# Altium PCB PCB2.PcbDoc (part 1 of 2) (continued)
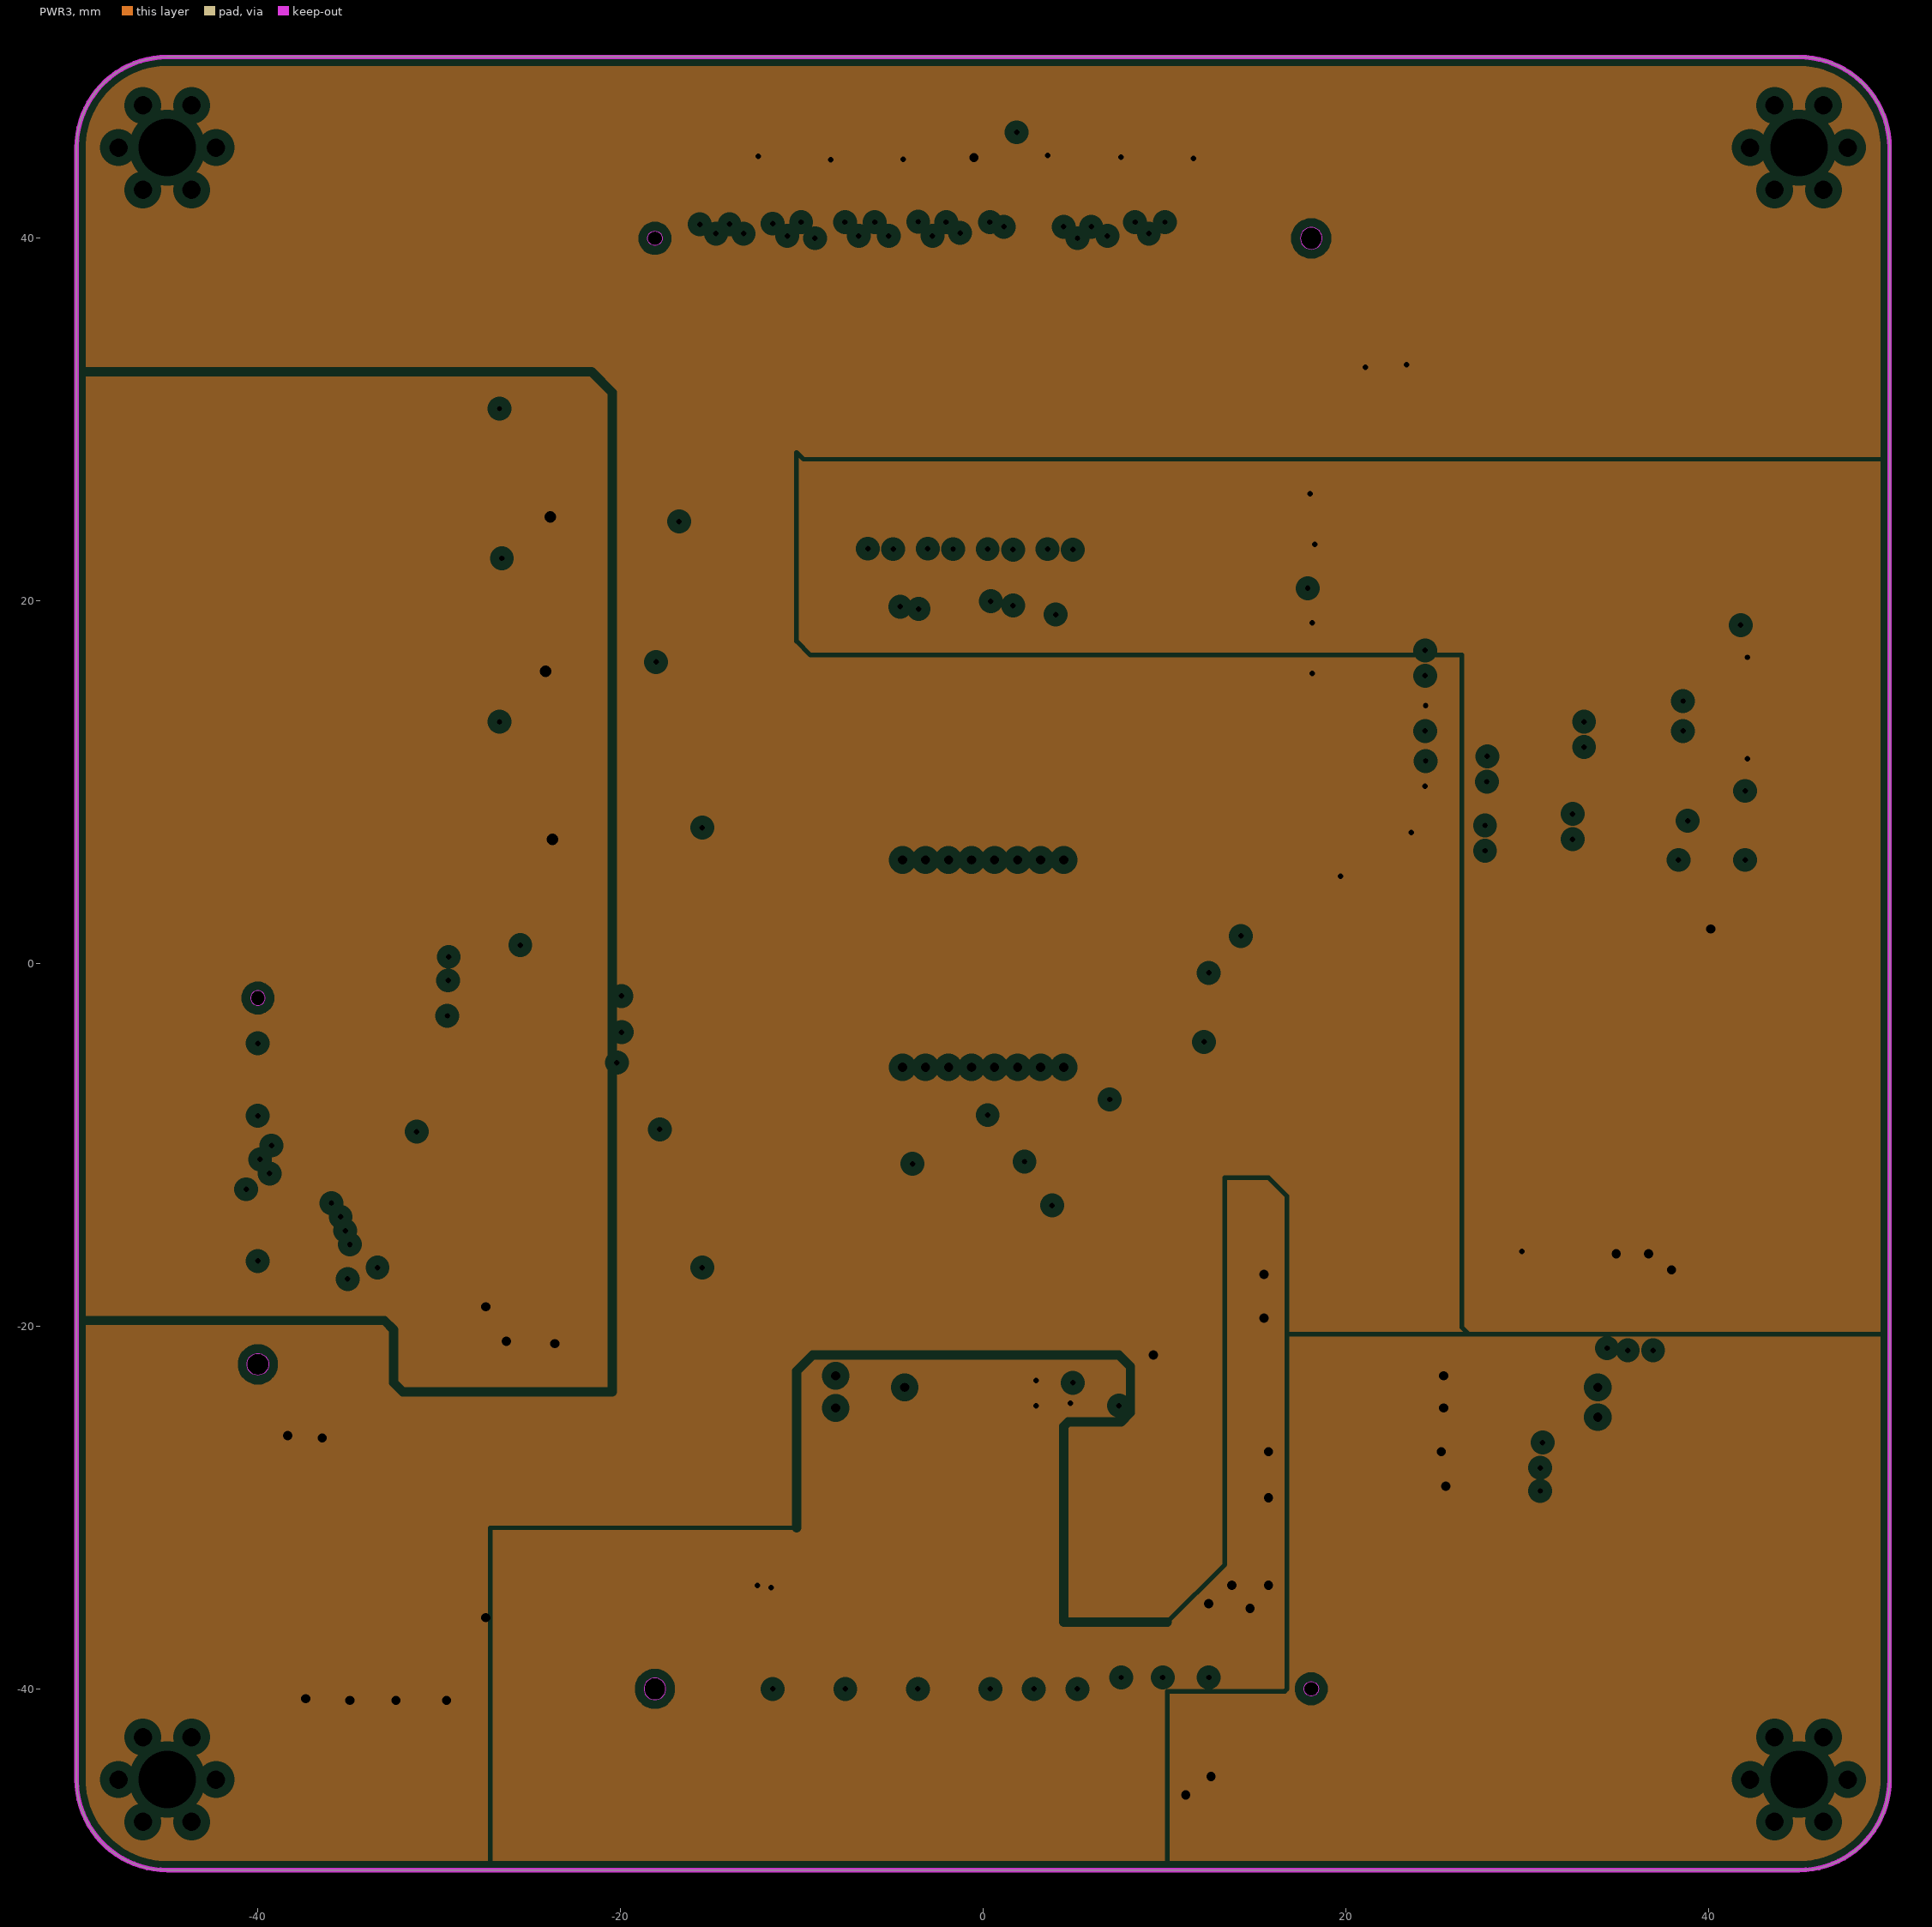
[diagram p3: PWR3, clearances drawn from the general rule]
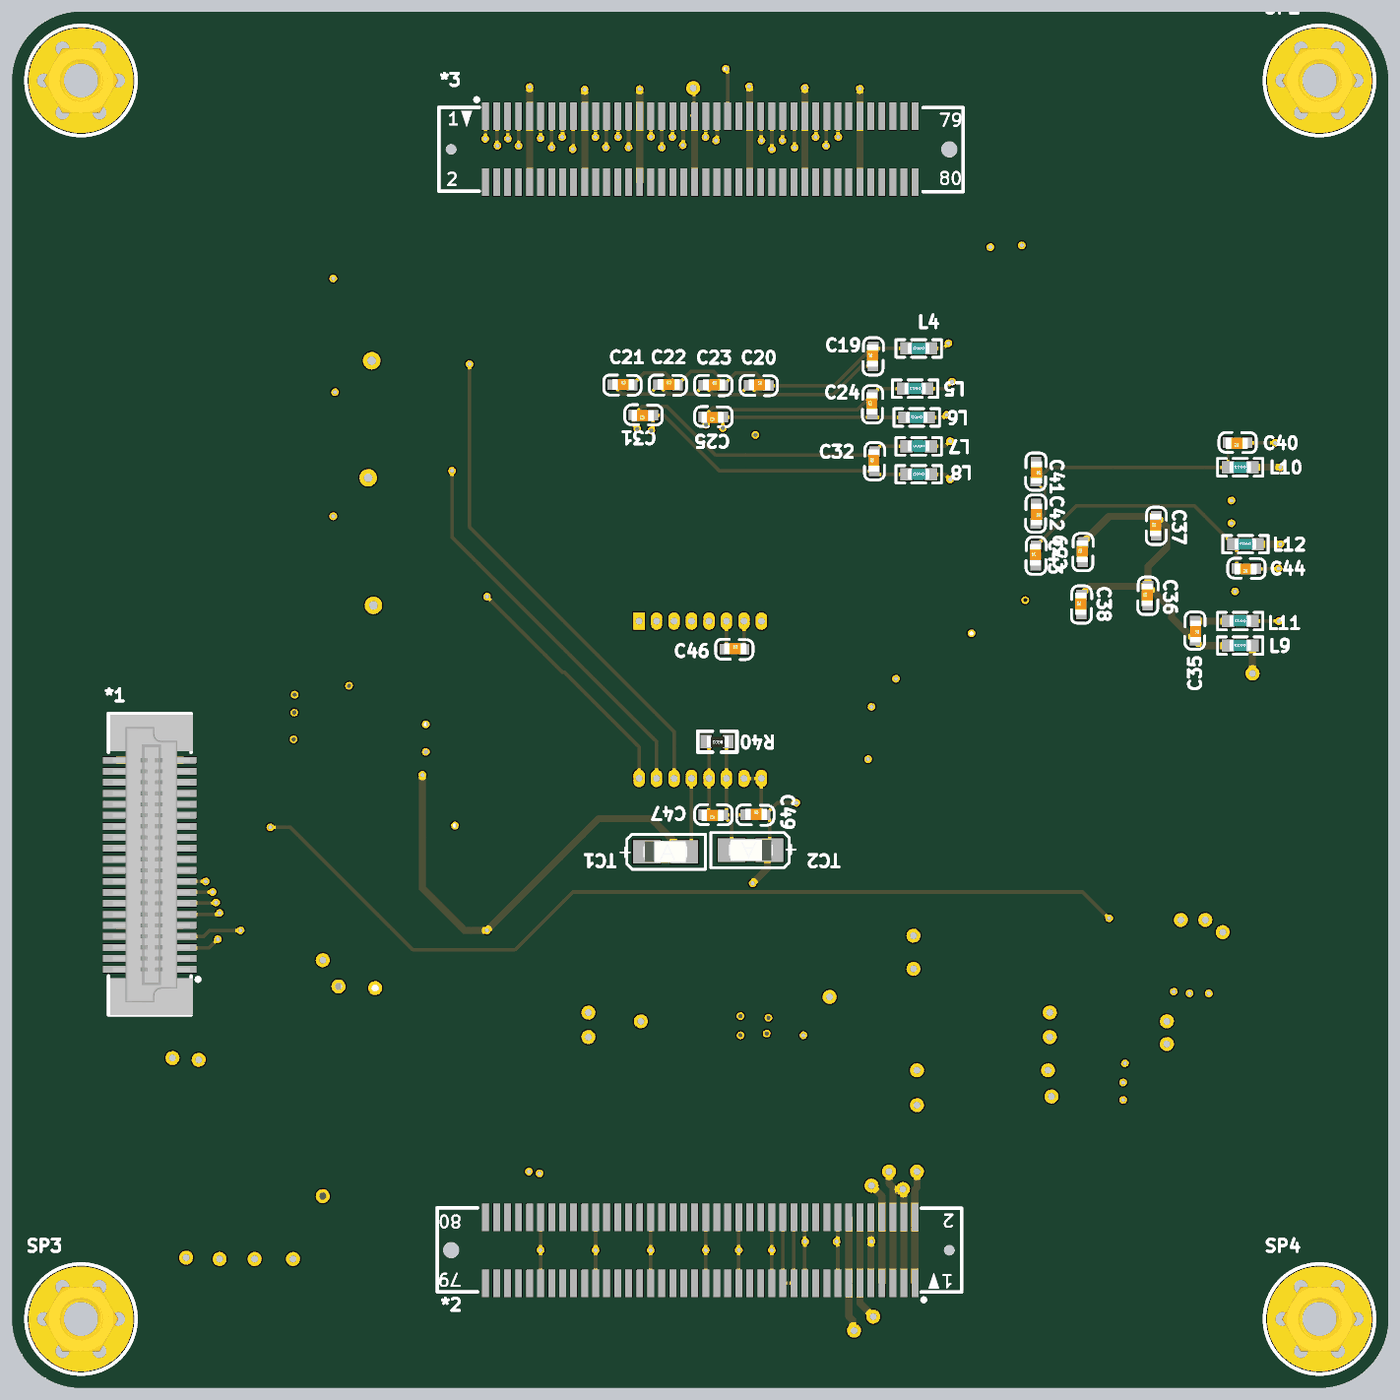
[diagram p5: 3D render of the assembled board from above, using the file's embedded part models]
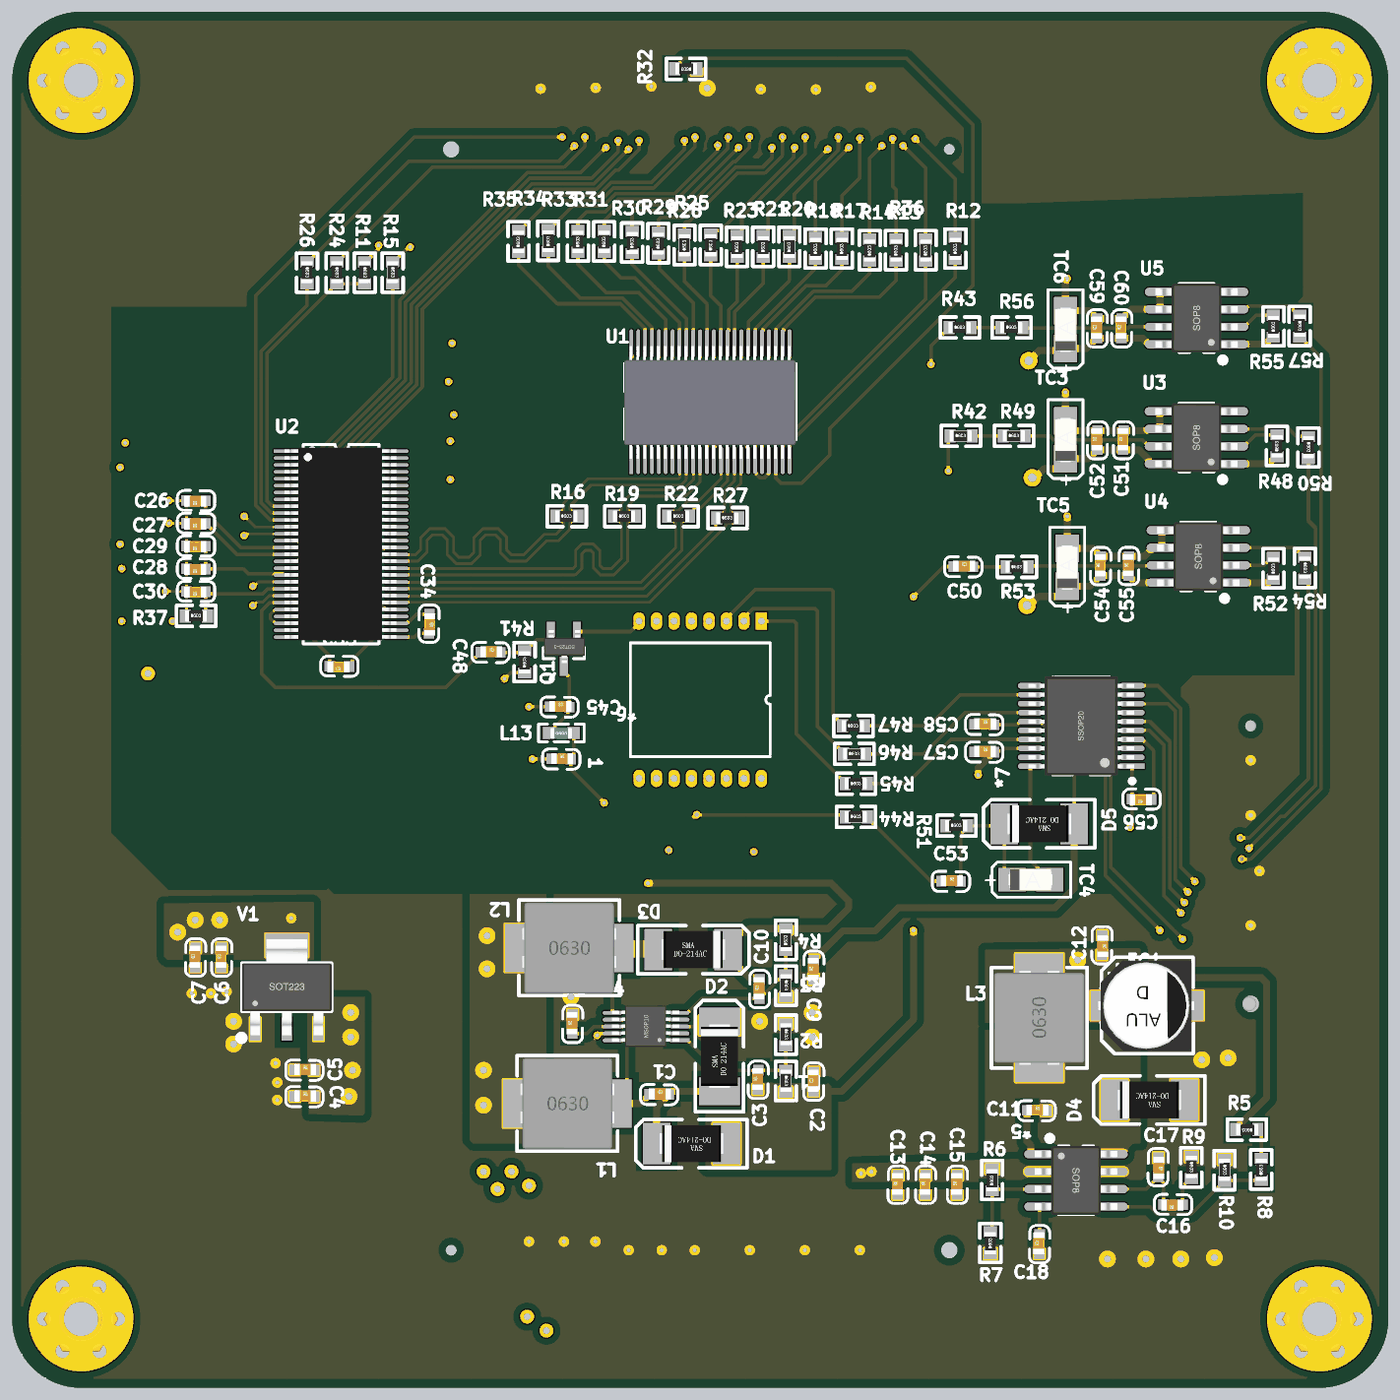
[diagram p6: 3D render of the assembled board from below, using the file's embedded part models]

## Layer stack, top to bottom
Top Solder: solder mask 0.0102, Solder Resist, Dk 3.5
Top Layer: signal copper 0.0356
Dielectric 2: prepreg 0.0711, PP-006, Dk 4.1
GND2: plane copper 0.035, net (Multiple Nets)
Dielectric 1: dielectric 1.57, FR-4, Dk 4.8
PWR3: plane copper 0.035, net (Multiple Nets)
Dielectric 3: prepreg 0.0711, PP-006, Dk 4.1
Bottom Layer: signal copper 0.0356
Bottom Solder: solder mask 0.0102, Solder Resist, Dk 3.5

## Board outline
-50,-45 -50,45 cw(c-45,45) -45,50 45,50 cw(c45,45) 50,45 50,-45 cw(c45,-45) 45,-50 -45,-50 cw(c-45,-45)

## Design rules (kind name [scope] priority, off if disabled: settings)
Clearance polygon [InPolygon] p1: gap=0.508 ignorepadtopadclearanceinfootprint=FALSE
Clearance [All] p2: gap=0.152 ignorepadtopadclearanceinfootprint=FALSE
DiffPairsRouting [All] p1: maxlimit=0.254 minlimit=0.254 mostfreqgap=0.254 toplayer_minwidth=0.152 toplayer_maxwidth=0.381 toplayer_prefwidth=0.203 bottomlayer_minwidth=0.152 bottomlayer_maxwidth=0.381 bottomlayer_prefwidth=0.203 maxuncoupledlength=12.7
PlaneClearance [All] p1: clearance=0.508
PlaneConnect [All] p1: planeconnectstyle=Direct reliefexpansion=0.508 reliefentries=4 reliefconductorwidth=0.254 reliefairgap=0.254
PolygonConnect [All] p1: connectstyle=Direct reliefconductorwidth=0.254 reliefentries=4 polygonreliefangle="90 Angle" airgapwidth=0.254
RoutingVias [All] p1: holewidth=0.305 width=0.559 viastyle="Through Hole" minholewidth=0.305 minwidth=0.559 maxholewidth=0.305 maxwidth=0.559
SolderMaskExpansion [All] p1: expansion=0.102 istentingtop=FALSE
Width pwr [InNetClass('pwr')] p1: maxlimit=1.27 minlimit=0.152 preferedwidth=0.508
Width sign [All] p2: maxlimit=1.27 minlimit=0.152 preferedwidth=0.254
27 further rules are at their usual default settings.

## Classes and differential pairs
component class timing: *7 C51 C52 C53 C54 C55 C56 C57 C58 C59 C60 D5 R48 R49 R50 R51 R52 R53 R54 R55 R56 R57 TC3 TC4 TC5 TC6 U3 U4 U5
component class power: *4 *5 C1 C2 C3 C4 C5 C6 C7 C8 C9 C10 C11 C12 C13 C14 C15 C16 C17 C18 D1 D2 D3 D4 EC1 L1 L2 L3 R1 R2 R3 R4 R5 R6 R7 R8 R9 R10 V1
component class connect: *1 *2 *3 SP1 SP2 SP3 SP4
component class CCD: 1 *6 C45 C46 C47 C48 C49 C50 L13 Q1 R40 R41 R42 R43 R44 R45 R46 R47 TC1 TC2
component class ADC: C19 C20 C21 C22 C23 C24 C25 C26 C27 C28 C29 C30 C31 C32 C33 C34 C35 C36 C37 C38 C39 C40 C41 C42 C43 C44 L4 L5 L6 L7 L8 L9 L10 L11 L12 R11 R12 R13 R14 R15 R16 R17 R18 R19 R20 R21 R22 R23 R24 R25 R26 R27 R28 R29 R30 R31 R32 R33 R34 R35 R36 R37 U1 U2

## Components (designator, comment, footprint, x,y, rotation, side; value= is the part's Value field where it differs from the comment)
1 "1u" 0603C 10.8,-4.284 r180 bottom
*1 "BTB-08-40-G" BTB-08-40-M -40,-12 r90 top locked
*2 "BTB-08-80-G" BTB-08-80-G 0,-40 r180 top locked
*3 "BTB-08-80-G" BTB-08-80-G 0,40 r0 top locked
*4 "LT1945" LT1945EMS 3.937,-23.749 r0 bottom
*5 "TPS54331DR" SOIC-8 -27.305,-34.925 r180 bottom
*6 "CCD424" CCD424 0,0 r270 bottom locked
*7 "CXD3400N" CXD3400N -27.686,-1.905 r0 bottom
C1 "0.1u" 0603C 3.688,-28.668 r180 bottom
C2 "1u" 0603C -8.221,-28.453 r90 bottom
C3 "100P" 0603C -4.182,-28.326 r90 bottom
C4 "4.7u" 0603C 29.469,-28.82 r180 bottom
C5 "0.1u" 0603C 29.469,-26.89 r180 bottom
C6 "4.7u" 0603C 34.807,-19.436 r90 bottom
C7 "0.1u" 0603C 36.703,-19.431 r90 bottom
C8 "4.7u" 0603C 9.305,-24.262 r90 bottom
C9 "1u" 0603C -8.221,-20.325 r90 bottom
C10 "4.7P" 0603C -4.284,-21.722 r90 bottom
C11 "0.1u" 0603C -23.744,-29.836 r180 bottom
C12 "47U" 0603C -29.219,-17.14 r270 bottom
C13 "4.7u" 0603C -14.342,-35.946 r90 bottom
C14 "4.7u" 0603C -16.349,-35.946 r90 bottom
C15 "0.01u" 0603C -18.66,-35.946 r90 bottom
C16 "1000p" 0603C -35.057,-36.712 r0 bottom
C17 "47p" 0603C -33.308,-33.269 r270 bottom
C18 "0.01u" 0603C -24.629,-40.264 r90 bottom
C19 "0.1u" 0603C 12.538,24.252 r90 top
C20 "0.1u" 0603C 3.551,22.869 r0 top
C21 "4.7u" 0603C -6.355,22.894 r0 top
C22 "0.1u" 0603C -3.053,22.894 r0 top
C23 "0.1u" 0603C 0.249,22.869 r0 top
C24 "4.7u" 0603C 12.495,20.763 r90 top
C25 "0.1u" 0603C 1.656,20.54 r180 top
C26 "0.1u" 0603C 35.936,14.444 r0 bottom
C27 "0.1u" 0603C 35.936,12.793 r0 bottom
C28 "0.1u" 0603C 35.936,9.491 r0 bottom
C29 "4.7u" 0603C 35.936,11.142 r0 bottom
C30 "0.1u" 0603C 35.936,7.84 r0 bottom
C31 "4.7u" 0603C -3.424,20.667 r180 top
C32 "0.1u" 0603C 12.64,16.632 r90 top
C33 "0.1u" 0603C 25.522,2.404 r0 bottom
C34 "0.1u" 0603C 19.676,6.228 r270 bottom
C35 "0.1u" 0603C 35.975,5.72 r270 top
C36 "0.1u" 0603C 32.503,6.853 r90 top
C37 "0.1u" 0603C 33.113,11.933 r90 top
C38 "0.1u" 0603C 27.677,6.218 r90 top
C39 "4.7u" 0603C 27.779,10.028 r90 top
C40 "0.1u" 0603C 39.756,18.66 r180 top
C41 "0.1u" 0603C 24.418,17.277 r270 top
C42 "4.7u" 0603C 24.418,14.229 r270 top
C43 "0.1u" 0603C 24.375,9.774 r90 top
C44 "4.7u" 0603C 40.391,9.516 r180 top
C45 "1000p" 0603C 10.927,-0.499 r180 bottom
C46 "1000p" 0603C 1.773,3.692 r0 top
C47 "2200p" 0603C 1.656,-8.391 r180 top
C48 "1U" 0603C 15.944,3.463 r180 bottom
C49 "0.01u" 0603C 3.297,-8.348 r0 top
C50 "0.1u" 0603C -18.41,9.686 r180 bottom
C51 "0.1u" 0603C -30.725,18.156 r90 bottom
C52 "0.1u" 0603C -28.845,18.156 r90 bottom
C53 "0.1u" 0603C -17.521,-13.174 r180 bottom
C54 "0.1u" 0603C -29.074,9.012 r90 bottom
C55 "0.1u" 0603C -31.115,9.017 r90 bottom
C56 "0.1u" 0603C -32.771,-7.248 r0 bottom
C57 "0.1u" 0603C -19.934,-3.776 r180 bottom
C58 "0.1u" 0603C -19.939,-1.778 r180 bottom
C59 "0.1u" 0603C -28.82,26.284 r90 bottom
C60 "0.1u" 0603C -30.598,26.284 r90 bottom
D1 "B340A" SMA/DO-214AC -1.778,-32.258 r0 bottom
D2 "B340A" SMA/DO-214AC -1.397,-28.321 r90 bottom
D3 "B340A" SMA/DO-214AC 2.921,-18.161 r180 bottom
D4 "B340A" SMA/DO-214AC -35.052,-29.083 r0 bottom
D5 "DIODE" SMA/DO-214AC -27.051,-9.017 r0 bottom
EC1 "47u" SMD-EC6.3X6.3X10 -30.004,-22.225 r180 bottom
L1 "22uH" L-SMD-0630 9.652,-29.337 r180 bottom
L2 "4.7uH" L-SMD-0630 9.525,-18.034 r180 bottom
L3 "6.8uH" L-SMD-0630 -24.638,-23.114 r90 bottom
L4 "GZ1608D601TF" 0603L 16.764,25.527 r180 top
L5 "GZ1608D601TF" 0603L 16.51,22.606 r180 top
L6 "GZ1608D601TF" 0603L 16.619,20.514 r180 top
L7 "GZ1608D601TF" 0603L 16.764,18.415 r180 top
L8 "GZ1608D601TF" 0603L 16.764,16.383 r180 top
L9 "GZ1608D601TF" 0603L 40.132,3.937 r180 top
L10 "GZ1608D601TF" 0603L 40.132,16.891 r180 top
L11 "GZ1608D601TF" 0603L 40.132,5.715 r180 top
L12 "GZ1608D601TF" 0603L 40.513,11.303 r180 top
L13 "GZ1608D601TF" 0603L 10.986,-2.413 r180 bottom
Q1 "NPN" SOT23-3 8.958,4.953 r0 bottom
R1 "123k" 0603R -6.223,-26.924 r270 bottom
R2 "24.9k" 0603R -6.223,-23.546 r270 bottom
R3 "89k" 0603R -6.223,-19.99 r270 bottom
R4 "1m" 0603R -6.223,-18.237 r90 bottom
R5 "0R" 0603R -40.513,-31.242 r0 bottom
R6 "332k" 0603R -21.209,-35.687 r90 bottom
R7 "68.1k" 0603R -21.082,-40.259 r90 bottom
R8 "24.9k" 0603R -40.767,-34.925 r90 bottom
R9 "29.4k" 0603R -35.687,-33.198 r270 bottom
R10 "4.7k" 0603R -38.1,-33.401 r270 bottom
R11 "4.7K" 0603R 24.384,31.826 r270 bottom
R12 "33R" 0603R -18.542,32.004 r90 bottom
R13 "33R" 0603R -14.224,31.877 r90 bottom
R14 "33R" 0603R -12.319,31.877 r90 bottom
R15 "1K" 0603R 22.352,31.826 r270 bottom
R16 "100R" 0603R 10.49,13.335 r180 bottom
R17 "33R" 0603R -10.287,32.004 r90 bottom
R18 "33R" 0603R -8.382,32.004 r90 bottom
R19 "100R" 0603R 6.299,13.335 r180 bottom
R20 "33R" 0603R -6.477,32.131 r90 bottom
R21 "33R" 0603R -4.572,32.131 r90 bottom
R22 "100R" 0603R 2.362,13.335 r180 bottom
R23 "33R" 0603R -2.667,32.131 r90 bottom
R24 "33R" 0603R 26.416,31.826 r270 bottom
R25 "33R" 0603R -0.762,32.258 r90 bottom
R26 "33R" 0603R 28.575,31.826 r270 bottom
R27 "100R" 0603R -1.194,13.208 r180 bottom
R28 "33R" 0603R 1.143,32.258 r90 bottom
R29 "33R" 0603R 3.048,32.385 r90 bottom
R30 "33R" 0603R 4.953,32.436 r90 bottom
R31 "33R" 0603R 6.985,32.512 r90 bottom
R32 "4.7k" 0603R 0.254,45.847 r0 bottom
R33 "33R" 0603R 8.89,32.512 r90 bottom
R34 "33R" 0603R 11.049,32.563 r90 bottom
R35 "33R" 0603R 13.208,32.512 r90 bottom
R36 "33R" 0603R -16.383,31.877 r90 bottom
R37 "9.1k" 0603R 37.414,6.096 r180 bottom
R40 "1m" 0603R 2.032,-3.048 r180 top
R41 "4.7k" 0603R 12.763,1.956 r90 bottom
R42 "0R" 0603R -18.161,19.177 r180 bottom
R43 "0R" 0603R -18.085,27.051 r180 bottom
R44 "0R" 0603R -10.541,-8.509 r180 bottom
R45 "0R" 0603R -10.541,-6.096 r180 bottom
R46 "0R" 0603R -10.414,-3.937 r180 bottom
R47 "0R" 0603R -10.338,-1.905 r180 bottom
R48 "10K" 0603R -41.91,17.653 r90 bottom
R49 "33R" 0603R -22.022,19.177 r180 bottom
R50 "51R" 0603R -44.196,19.126 r270 bottom
R51 "100k" 0603R -17.831,-9.144 r180 bottom
R52 "10K" 0603R -41.656,8.763 r90 bottom
R53 "33R" 0603R -22.225,9.652 r180 bottom
R54 "51R" 0603R -43.942,10.363 r270 bottom
R55 "10K" 0603R -41.656,26.34 r90 bottom
R56 "33R" 0603R -21.844,27.051 r180 bottom
R57 "51R" 0603R -43.561,27.94 r270 bottom
SP1 "M3铜柱" M3x5_N -45,45 r0 top locked
SP2 "M3铜柱" M3x5_N 45,45 r0 top locked
SP3 "M3铜柱" M3x5_N -45,-45 r0 top locked
SP4 "M3铜柱" M3x5_N 45,-45 r0 top locked
TC1 "3.3u" TAJ-A/3216 -3.937,-11.049 r0 top
TC2 "3.3u" TAJ-A/3216 5.08,-10.922 r180 top
TC3 "1u" TAJ-A/3216 -26.543,17.479 r90 bottom
TC4 "1u" TAJ-A/3216 -22.606,-13.081 r180 bottom
TC5 "1u" TAJ-A/3216 -26.67,8.208 r90 bottom
TC6 "1u" TAJ-A/3216 -26.543,25.48 r90 bottom
U1 "DS90CR218AMTDX/NOPB" TSSOP-48 5.008,17.408 r90 bottom locked
U2 "LM98725CCMTX/NOPB" TSSOP-56 30.098,18.057 r180 bottom locked
U3 "EL7156CSZ-T7_C382008" SOIC-8 -36.055,19.05 r0 bottom
U4 "EL7156CSZ-T7_C382008" SOIC-8 -36.195,10.414 r0 bottom
U5 "EL7156CSZ-T7_C382008" SOIC-8 -36.068,27.737 r0 bottom
V1 "AMS1117-3V3" SOT223_L 30.043,-20.891 r180 bottom locked
